# KiCad board panel.kicad_pcb (continued)
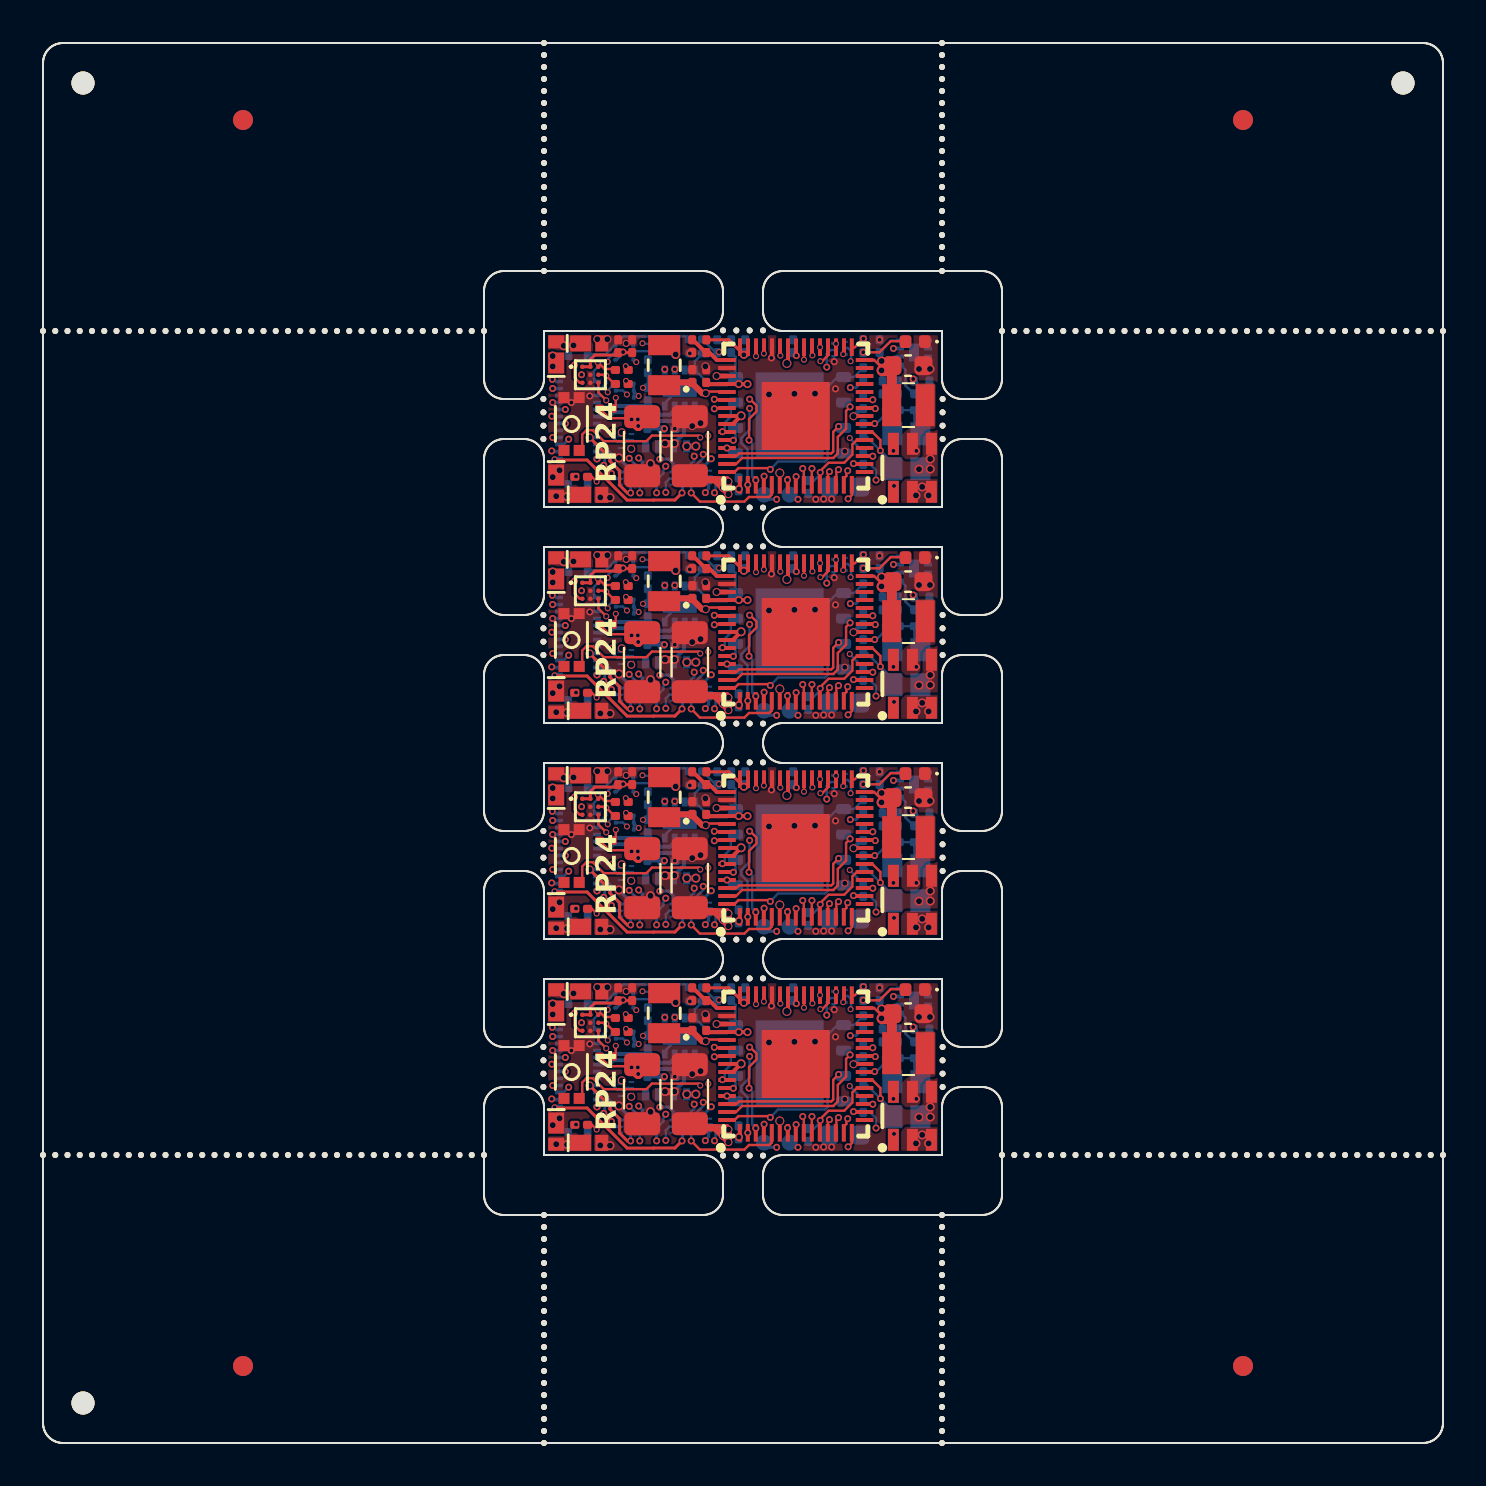
[diagram p0: board, top side]
## Routing (per net, layer and track width the routed paths; a pad name or vN(x,y) marks a point on that pad's centre or on a via; arc(x,y) is an arc through that point) (continued)
  In3.Cu w0.12: v3(40.36,52.77) 40.36,52.63 39.78,52.05 39.78,52.04 38.47,50.74 34.63,50.74 33.94,50.04 33.09,50.04 v6(32.86,50.27)
  Bottom w0.12: R5#3.2 40.66,52.77 v3(40.36,52.77)
Board_0-Net-(U2-BST): length 3.8
  Top w0.12: v3(42.52,49.6) U2#2.6
  In1.Cu w0.12: v6(40.34,50.25) 41.88,50.25 v3(42.52,49.6)
  Bottom w0.12: 40.96,49.57 C4#3.1 40.34,50.24 v6(40.34,50.25)
Board_0-Net-(U4-GPIO19): length 0.8
  Top w0.12: v3(41.02,55.22) 40.59,54.79 U4.31
Board_0-Net-(U4-VREG_AVDD): length 2.2
  Top w0.2: U4.46 33.69,54.15 33.32,54.52 R15#3.1 33.14,54.52 32.5,55.16 C16#4.1 32.52,55.16
Board_0-Net-(U4-VREG_LX): length 3.1
  Top w0.25: v1(33.68,53.35) U4.48
  In1.Cu w0.35: v1(33.68,53.35) 32.64,53.35 31.63,54.36 v5(31.63,54.43)
Board_0-VDC: length 13.4
  In3.Cu w0.12: v5(32.64,49.84) 32.67,49.81 33.65,49.81 34.06,49.41 34.34,49.41 34.95,50.01 34.95,50.28 35.18,50.51 38.57,50.51 40.01,51.95 40.01,51.95 40.48,52.42 40.61,52.42 41.39,53.2 v3(43.51,53.2)
  Bottom w0.12: v3(43.51,53.2) 43.56,53.15 R1#3.1
  Bottom w0.3: v5(32.64,49.84) 32.63,49.83 32.18,49.83 32.19,49.84 v5(32.19,49.84)
  vias: v5(25.49,54.35) v5(25.49,53.83) v5(25.49,48.29) v5(25.83,48.64)
Board_1-+1V1: length 20.9
  Top w0.12: v1(33.14,41.69) 33.22,41.77 34.18,41.77 U4#4.50
  Top w0.2: v2(37.19,43.18) 37.25,43.24 U4#4.39 ; L2.2 31.2,42.23 ; v1(40.52,40.54) 40.57,40.54 40.58,40.55 U4#4.23
  Top w0.3: 31.2,42.23 C11#4.1 32.46,42.19 32.96,41.69 v1(33.14,41.69)
  In1.Cu w0.3: v1(40.52,40.54) 39.62,40.54 36.84,37.76 v2(36.84,37.7) ; v1(33.14,41.69) 33.31,41.86 33.67,41.86 34.76,42.95 36.96,42.95 37.19,43.18
  In2.Cu w0.2: v2(37.19,43.18) 37.19,43.18
  In2.Cu w0.3: v2(37.19,43.18) 37.25,43.18 37.97,42.47 40.48,42.47 40.8,42.15 40.8,40.81 v1(40.52,40.54)
  Bottom w0.2: C10.1 40.91,40.92 v1(40.52,40.54)
Board_1-+3.3V: length 30.9
  Top w0.12: R19#2.1 28.31,40.44 29.88,40.44 C8#3.1 ; v5(41.93,42.83) 41.93,42.98 41.56,43.35 U4#4.30 ; U4#4.11 38.84,37.71 v3(38.86,37.73) 38.86,37.8 39.28,38.21 40.06,38.21 40.47,38.62 40.47,39.13 40.69,39.35 U4#4.20 ; v4(35.04,43.61) 35.15,43.72 35.2,43.72 35.25,43.77 U4#4.44 ; v4(34.8,36.9) 34.8,37.07 U4#4.1
  Top w0.15: U4#4.45 34.85,43.8 34.93,43.72 35.2,43.72 ; U5#4.A1 U5#4.A2 27.37,43.38 27.59,43.59 28.63,43.59 C27#3.1 C28.1 ; v4(35.04,43.61) 34.29,44.36 R15#2.2
  Top w0.2: U4#4.53 34.89,40.55 v5(34.91,40.56) 34.49,40.15 U4#4.54 ; C12#3.2 33.25,42.14 34.19,42.14 U4#4.49 34.79,42.15 v4(34.79,42.15) v4(35.23,42.15)
  Top w0.3: 41.93,42.83 v5(41.93,42.83) 41.93,43.3 v5(41.93,43.3) 41.93,42.83
  Top w0.5: 42.44,42.8 42.44,41.09 ; 42.44,42.8 41.96,42.8 v5(41.93,42.83) ; 42.44,42.8 42.47,42.83 C7#4.1 ; v6(29.76,40.05) v6(29.43,40.38)
  Bottom w0.12: R3#2.1 41.93,42.35 v5(41.93,42.83) ; U6#2.8 32.59,43.29 C29.1 ; U6#2.8 33.26,42.18 34.22,42.18 34.58,42.54 34.69,42.43 ; U6#2.8 U6#2.7 ; v5(41.93,43.3) 41.83,43.4 C1#3.2 41.83,43.74 42.41,44.33 U1#3.8 ; v3(38.86,37.73) 38.86,37.63 38.55,37.32 C9#3.1 ; C5#4.1 34.63,43.5 U3#3.8 ; Q8.4 28.68,43.36 28.89,43.57 28.89,43.63 v3(29,43.75) ; v4(34.8,36.9) 34.77,36.9
  Bottom w0.15: J1#4.18 25.81,40.19 26.1,40.19 v3(26.12,40.17)
  vias: v3(37.66,43.57) v3(42.55,37.05) v6(29.74,40.38)
Board_1-/ADC_EMF_A: length 8
  Top w0.12: U4#4.42 36.05,43.68 v6(36.05,43.67)
  In3.Cu w0.12: v3(31.07,39.91) 31.07,40.46 32.79,42.18 33.83,42.18 34.66,43.01 35.57,43.01 36.05,43.48 v6(36.05,43.67)
  Bottom w0.12: 31.07,39.92 v3(31.07,39.91) ; R12.2 30.25,39.89 R11#3.1
Board_1-/ADC_EMF_B: length 7.8
  Top w0.12: v6(35.65,43.54) U4#4.43
  In3.Cu w0.12: v6(35.65,43.54) 35.35,43.24 33.85,43.24 33.27,42.66 32.95,42.66 32.24,41.96 v6(30,41.96)
  Bottom w0.12: R14.2 R13#2.1 v6(30,41.96)
Board_1-/AUX1 (VDC): length 3.9
  In1.Cu w0.15: v3(28.04,38.09) 28.08,38.04 29.43,38.04 29.78,38.4 v3(29.78,38.45)
  Bottom w0.15: v3(28.04,38.09) 28.09,38.13 28.09,38.6 27.91,38.77 J1#4.11 ; v3(29.78,38.45) 29.97,38.27 29.97,37.84 30.06,37.75 Q3.6
Board_1-/AUX2 (VDC): length 4.6
  In1.Cu w0.15: v3(27.7,38.4) 27.61,38.31 27.61,37.89 28.24,37.26 30.13,37.26 v3(30.68,36.71)
  Bottom w0.15: Q3.3 30.68,36.71 v3(30.68,36.71) ; v3(27.7,38.4) 27.7,38.42
Board_1-/AUX3: length 19.5
  Top w0.12: U4#4.18 41.09,38.54 v3(41.49,38.54)
  In4.Cu w0.12: 38.87,39.75 38.46,40.16 34.75,40.16 34.51,40.4 34.51,40.99 33.44,42.06 30.9,42.06 30.03,41.19 29.04,41.19 28.84,40.99 27.14,40.99 26.56,41.57 25.82,41.57 v3(25.48,41.23) ; 38.87,39.75 38.94,39.68 ; 38.87,39.75 39.49,39.13 39.88,39.13 40.23,39.13 40.83,38.54 v3(41.49,38.54)
  Bottom w0.12: J1#4.21 v3(25.48,41.23)
Board_1-/AUX4: length 16.6
  Top w0.12: v3(40.53,38.17) 40.55,38.15 U4#4.17
  In4.Cu w0.12: v3(26.12,40.88) 26.23,40.76 28.94,40.76 29.1,40.93 31.39,40.93 31.75,40.57 33.03,40.57 33.25,40.34 33.25,40.34 34.21,40.34 34.62,39.93 38.37,39.93 39.85,38.44 40.25,38.44 v3(40.53,38.17)
  Bottom w0.12: v3(26.12,40.88) J1#4.20
Board_1-/AUX5 (VDC): length 10
  In4.Cu w0.15: v3(33.41,38.41) 33.18,38.18 31.83,38.18 31.25,38.76 30.93,38.76 30.08,39.61 29.73,39.61 29.22,40.12 27.43,40.12 27.06,39.75 25.76,39.75 v3(25.48,39.48)
  Bottom w0.15: Q6#3.6 32.8,37.8 v3(33.41,38.41)
Board_1-/AUX6 (VDC): length 6.9
  In4.Cu w0.15: v3(30.84,38.39) 29.94,39.29 29.25,39.29 29.05,39.09 26.59,39.09 v3(26.29,39.39)
  Bottom w0.15: J1#4.15 26.02,39.12 v3(26.29,39.39) ; v3(30.84,38.39) 30.98,38.39 30.99,38.4 31.29,38.4 31.5,38.19 Q5#3.6
Board_1-/AUX7 (VDC): length 9.5
  In4.Cu w0.15: v3(33.12,36.72) 32.64,37.2 28.31,37.2 27.15,38.35 26.36,38.35 25.91,38.8 v3(25.44,38.8)
  Bottom w0.15: v3(33.12,36.72) 33.12,36.76 33.28,36.93 Q6#3.3 ; J1#4.14 25.46,38.77 v3(25.44,38.8)
Board_1-/AUX8 (VDC): length 8.3
  Top w0.15: v3(31.95,36.7) 31.6,36.35 30.53,36.35 30.53,36.34 29.21,36.34 27.2,38.35 25.61,38.35 v6(25.58,38.39)
  In1.Cu w0.15: v6(25.58,38.39) 25.8,38.39 25.8,38.39
  Bottom w0.15: Q5#3.3 31.98,36.73 v3(31.95,36.7) ; v6(25.58,38.39) 25.76,38.39 25.8,38.42
Board_1-/AUX10: length 17.6
  Top w0.12: v3(40.23,37.81) 40.17,37.75 40.17,37.55 40.04,37.42 U4#4.14
  In4.Cu w0.12: v3(40.23,37.81) 40.23,37.9 39.92,38.21 39.76,38.21 38.27,39.7 34.52,39.7 34.11,40.11 33.32,40.11 33,39.79 32.73,39.79 32.61,39.68 32.31,39.68 32.09,39.89 32.09,39.9 31.29,40.7 29.2,40.7 29.03,40.53 25.45,40.53 v3(25.44,40.54)
  Bottom w0.12: J1#4.19 25.46,40.52 v3(25.44,40.54)
Board_1-/AUX11: length 16
  In4.Cu w0.12: v3(35.33,40.93) 35.3,40.93 34.25,41.98 34.25,42.62 33.95,42.92 33.53,42.92 32.92,42.31 29.67,42.31 29.31,41.95 28.94,41.95 28.81,42.08 28.12,42.08 27.97,41.92 v3(25.48,41.92)
  Bottom w0.12: v3(35.24,37.11) 35.23,37.12 35.23,38.88 34.91,39.2 34.91,39.44 35.33,39.86 v3(35.33,40.93) ; v3(25.48,41.92) 25.8,41.92
Board_1-/AUX12: length 17.2
  Top w0.12: v3(35.33,41.39) 35.36,41.39 35.68,41.07 35.68,40.78 35.3,40.4 v3(35.3,39.34)
  In1.Cu w0.12: v3(35.64,37.34) 35.64,37.39
  In4.Cu w0.12: v3(35.33,41.39) 35.61,41.67 35.61,42.49 35.09,43.01 34.79,43.01 34.6,43.2 33.57,43.2 33.32,43.45 32.92,43.45 32.01,42.54 30.59,42.54 30.47,42.67 28.57,42.67 28.31,42.92 28.01,42.92 27.36,42.27 25.58,42.27 v3(25.47,42.38)
  Bottom w0.12: v3(35.64,37.34) 35.46,37.52 35.46,39.18 v3(35.3,39.34)
Board_1-/CAP_ENABLE: length 16.6
  Top w0.12: U4#4.32 40.05,43.68 v6(40.01,43.64)
  In1.Cu w0.12: v6(33.26,39.56) 33.26,39.69 33.12,39.83 32.76,39.83 32.51,39.57 30.93,39.57 30.72,39.37 28.78,39.37 28.48,39.67 v6(28.48,39.77)
  In3.Cu w0.12: v6(40.01,43.64) 40.01,41.8 39.55,41.34 39.55,41.34 38.38,40.17 33.87,40.17 v6(33.26,39.56) 33.26,39.55 ; 28.48,39.76 28.48,39.76 v6(28.48,39.77)
  Bottom w0.12: v6(28.48,39.77) 28.55,39.7 28.55,39.43 28.73,39.25 Q2#2.5 29.1,39.25 29.2,39.35 Q2#2.2
Board_1-/CAP_VDC: length 11.8
  Top w0.35: v1(34.27,37.27) 34.27,36.64 v1(34.27,36.64) 34.27,36.69 v1(33.99,36.96) ; v1(34.27,37.27) 34.18,37.37 32.55,37.37 ; v1(34.27,37.27) 33.99,37 v1(33.99,36.96) ; v5(31.56,39.17) 31.56,39.17 31.1,39.17 v5(31.1,39.17) ; v1(33.99,36.96) 33.59,37.37 32.55,37.37 ; 32.55,37.37 32.35,37.56 C21#2.1 ; C21#2.1 32.33,37.58 31.96,37.58 ; C21#2.1 32.34,37.49 ; C21#2.1 32.34,37.55 ; 31.65,37.23 31.65,37.23
  In3.Cu w0.4: v5(31.56,39.17) 31.56,39.18 29.58,39.18 29.54,39.14 ; v1(28.94,39.74) 29.53,39.14 29.54,39.14 ; 29.54,39.14 29.41,39.01 v1(29.41,38.91)
  Bottom w0.12: 28.91,39.67 28.91,39.71 v1(28.94,39.74)
  Bottom w0.2: D5#4.1 31.53,39.15 31.91,39.54 31.91,39.54 32.05,39.68 32.05,40.29 32.59,40.83 U6#2.1
  vias: v5(43.65,36.58) v5(43.96,37) v5(44.28,36.58)
Board_1-/COMP_N: length 2.6
  Bottom w0.12: U1#3.6 42.59,43.52 42.46,43.4 42.46,42.58 R4#4.1 ; 41.98,41.66 42.06,41.66 42.62,42.21 42.62,42.3
Board_1-/COMP_P: length 2.7
  Bottom w0.12: R1#4.2 R2#2.1 ; R1#4.2 43.53,41.66 43.12,42.06 43.12,42.85 42.85,43.12 U1#3.5 ; R1#4.2 43.42,41.66
Board_1-/GPIO2: length 4.6
  Top w0.12: U4#4.4 36.04,37.53 v3(36.05,37.54)
  In4.Cu w0.12: v3(33.57,36.71) 33.57,37.1 34.16,37.69 35.91,37.69 v3(36.05,37.54)
  Bottom w0.12: Q6#3.2 33.45,37.52 33.62,37.34 33.62,36.76 v3(33.57,36.71)
Board_1-/GPIO3: length 5.8
  Top w0.12: v3(32.41,36.7) 32.85,36.27 35.07,36.27 35.3,36.5 36.31,36.5 36.44,36.63 U4#4.5
  Bottom w0.12: Q6#3.5 32.54,37.42 32.41,37.29 v3(32.41,36.7)
Board_1-/GPIO4: length 8.3
  In3.Cu w0.12: v3(31.14,36.73) 31.48,37.07 33.52,37.07 34.16,37.71 35.7,37.71 36.22,38.23 36.87,38.23 37.3,37.8 37.3,37.43 v3(37.23,37.35)
  Bottom w0.12: v3(31.14,36.73) 31.14,37.23 31.33,37.42 Q5#3.5
Board_1-/GPIO5: length 10.1
  Top w0.12: v3(37.65,37.52) 37.64,37.51 U4#4.8
  In4.Cu w0.12: v3(29.84,36.7) 30.27,36.27 36.08,36.27 36.82,37.01 37.42,37.01 37.6,37.19 37.6,37.47 v3(37.65,37.52)
  Bottom w0.12: Q3.5 29.94,37.42 29.84,37.32 v3(29.84,36.7)
Board_1-/GPIO6: length 11.5
  Top w0.12: v3(37.99,37.92) 38.04,37.87 U4#4.9
  In4.Cu w0.12: v3(28.42,37.68) 28.66,37.44 33.58,37.44 34.06,37.91 35.91,37.91 36.22,38.23 37.69,38.23 v3(37.99,37.92)
  Bottom w0.12: v3(28.42,37.68) 28.68,37.42 Q4#2.5
Board_1-/GPIO7: length 12.4
  Top w0.12: 38.43,36.98 38.44,36.99 U4#4.10 38.44,37.92 v3(38.45,37.92)
  In4.Cu w0.12: 38.43,37.95 38.43,38.13 38.1,38.46 36.13,38.46 35.81,38.15 33.96,38.15 33.49,37.67 30.07,37.67 v3(29.31,38.44)
  Bottom w0.12: Q4#2.2 29.64,37.52 29.72,37.6 29.72,38.02 v3(29.31,38.44)
Board_1-/GPIO8: length 10.4
  Top w0.12: U4#4.12 39.24,37.69 v3(39.32,37.77)
  In4.Cu w0.12: v3(39.32,37.77) 38.41,38.69 36.03,38.69 35.72,38.38 33.87,38.38 33.43,37.93 31.24,37.93 v3(31.14,38.04)
  Bottom w0.12: Q3.2 30.85,37.52 31.03,37.69 31.03,37.93 v3(31.14,38.04)
Board_1-/GPIO9: length 9.9
  Top w0.12: U4#4.13 39.67,37.14 39.67,37.76 v3(39.78,37.87)
  In4.Cu w0.12: v3(33.01,38.63) 33.13,38.76 33.56,38.76 33.71,38.6 35.62,38.6 35.93,38.92 38.73,38.92 v3(39.78,37.87)
  Bottom w0.12: Q5#3.2 32.14,37.52 32.36,37.74 32.36,37.8 33.01,38.45 v3(33.01,38.63)
Board_1-/GPIO21: length 0.1
  Bottom w0.12: 39.58,44.17 39.64,44.17 v6(39.65,44.16)
Board_1-/GPIO25: length 8.1
  Top w0.12: v6(38.05,43.37) U4#4.37
  In4.Cu w0.12: 37.98,43.39 38,43.37 v6(38.05,43.37) 37.47,42.78 35.95,42.78 35.5,43.24 34.89,43.24 34.7,43.43 33.67,43.43 33.42,43.68 32.83,43.68 32.03,42.89 v3(31.59,42.89)
  Bottom w0.12: v3(31.59,42.89) U6#2.6
Board_1-/GPIO26: length 7.5
  Top w0.12: U4#4.40 36.85,43.58 v6(36.86,43.57)
  In4.Cu w0.12: v3(31.09,42.89) 31.09,43.64 31.52,44.07 36.29,44.07 36.86,43.5 v6(36.86,43.57)
  Bottom w0.12: v3(31.09,42.89) U6#2.5
Board_1-/I2S_BCLK: length 16
  Top w0.12: U5#4.C1 26.84,42.21 26.58,42.47 26.58,43.09 v3(26.58,43.1) ; v6(38.47,43.58) 38.45,43.6 U4#4.36
  In4.Cu w0.12: v3(26.58,43.1) 27.37,43.89 28.38,43.89 29.02,44.53 38.8,44.53 39.19,44.14 39.19,43.85 38.99,43.64 38.53,43.64 v6(38.47,43.58)
Board_1-/I2S_DIN: length 13.1
  Top w0.12: U5#4.B1 26.97,42.61 v3(26.93,42.61)
  In4.Cu w0.12: v6(38.85,43.99) 38.54,44.3 30.54,44.3 29.85,43.6 29.49,43.6 29.29,43.4 28.57,43.4 28.39,43.58 27.59,43.58 26.93,42.91 v3(26.93,42.61)
Board_1-/I2S_LRCLK: length 17.8
  Top w0.12: U4#4.34 39.25,43.58 38.96,43.29 v6(38.87,43.29) ; v6(28.16,41.33) 27.77,41.73 U5#4.C3
  In3.Cu w0.12: v6(38.87,43.29) 39.21,43.63 39.21,44.12 38.8,44.53 28.88,44.53 28.37,44.02 28.03,44.02 27.38,43.37 27.38,42.11 v6(28.16,41.33)
Board_1-/LAMP_FRONT: length 4.6
  Top w0.15: v3(29.38,36.7) 29.22,36.7 28.83,37.09 28.83,37.81 28.34,38.3 28.34,38.47 v1(27.33,39.48)
  Bottom w0.15: v3(29.38,36.7) Q4#2.3 ; J1#4.9 v1(27.33,39.48)
Board_1-/LAMP_REAR: length 2
  Bottom w0.15: J1#4.10 27.93,39.12 28.37,38.69 28.37,38.26 28.88,37.75 Q4#2.6
Board_1-/MOTOR_A: length 5.1
  Bottom w0.2: U6#2.2 32.09,40.86 31.53,40.3 30.73,40.3 30.3,40.73 29.92,40.73 29.91,40.74 28.51,40.74 28.3,40.52 J1#4.6
Board_1-/MOTOR_B: length 4.8
  Bottom w0.12: 30.43,41.04 30.24,41.23 R13#2.2
  Bottom w0.2: J1#4.5 27.8,40.97 28.31,40.97 28.39,41.05 30.04,41.05 30.05,41.04 30.43,41.04 30.86,40.61 31.34,40.61 31.59,40.86 U6#2.3
Board_1-/QSPI_CS: length 11.1
  Top w0.12: v3(36.36,37.88) 36.3,37.94 34.77,37.94 34.58,37.75 U4#4.60
  Bottom w0.12: v3(36.36,37.88) 36.75,38.27 39.1,38.27 39.23,38.4 39.23,42 39.72,42.49 U3#3.1 40.54,42.49 R5.1
Board_1-/QSPI_SCLK: length 0.7
  Bottom w0.12: U3#3.6 34.63,39.45 v3(34.52,39.34)
Board_1-/QSPI_SD0: length 0.5
  Bottom w0.12: v3(34.2,38.95) 34.47,38.69 U3#3.5
Board_1-/QSPI_SD1: length 9.1
  Top w0.12: v3(40.35,41.01) 40.15,40.81 40.15,39.91 39.74,39.5 39.74,38.67 39.52,38.45 34.95,38.45 34.65,38.15 U4#4.59 33.88,38.15
  Bottom w0.12: v3(40.35,41.01) 40.14,41.23 U3#3.2
Board_1-/QSPI_SD2: length 6.8
  Top w0.12: U4#4.58 34.67,38.55 34.8,38.68 39.42,38.68 39.51,38.77 39.51,39.76 v3(39.78,40.03) ; 34.44,38.57 34.46,38.55
Board_1-/QSPI_SD3: length 1.7
  Bottom w0.12: U3#3.7 34.39,40.98 34.39,40.51 34.09,40.21 34.09,39.88 v3(33.97,39.76)
Board_1-/RC_TX: length 14.7
  Top w0.12: R18#4.2 27.44,37.51 v6(27.68,37.27) ; v3(40.26,36.41) 40.44,36.59 U4#4.15
  In1.Cu w0.12: v6(27.68,37.27) 27.94,37.02 28.36,37.02 29.11,36.27 36.08,36.27 36.55,36.74 39.92,36.74 v3(40.26,36.41)
Board_1-/SPEAKER_N: length 2
  Top w0.12: U5#4.B3 28.11,42.61 v6(28.16,42.56) 28.58,42.15 R16#3.1
  Bottom w0.12: v6(28.16,42.56) 28.16,42.17 27.91,41.92 27.7,41.92
Board_1-/SPEAKER_P: length 2.3
  Top w0.12: U5#4.A3 27.77,43.2 v6(27.74,43.22) 27.77,43.22 28.09,42.9 28.57,42.9 R10#2.1
  Bottom w0.12: J1#4.1 27.55,42.42 27.55,42.81 27.74,43 v6(27.74,43.22)
Board_1-/SWCLK: length 10
  Top w0.15: U4#4.24 41.58,40.95 v3(41.62,40.92)
  In4.Cu w0.15: v3(41.62,40.92) 41.72,40.92 43.14,39.5 43.14,38.33 42.66,37.85 41.41,37.85 40.66,37.1 38.62,37.1 37.91,36.39 v3(37.75,36.39)
Board_1-/SWDIO: length 12.1
  Top w0.15: U4#4.25 41.48,41.35 v3(41.49,41.36)
  In4.Cu w0.15: v3(36.68,36.38) 36.68,36.43 37.01,36.77 37.52,36.77 38.12,37.36 40.55,37.36 41.3,38.11 42.56,38.11 42.88,38.43 42.88,39.39 41.74,40.53 41.48,40.53 41.26,40.75 41.26,41.13 v3(41.49,41.36)
  Bottom w0.15: J2#4.1 36.29,36.38 v3(36.68,36.38)
Board_1-/SWITCH: length 3.9
  In1.Cu w0.12: v3(41.65,37.35) 43.11,38.8 v3(43.67,38.8)
  Bottom w0.12: C4#4.2 41.36,38.13 41.65,37.83 v3(41.65,37.35)
Board_1-/TRACK_LEFT: length 5.6
  Bottom w0.12: R7.2 32.19,44.53 29.02,44.53 28.62,44.13 Q8.6 28.55,44.06 28.13,43.64 27.33,43.64 J1#4.X1A
  vias: v5(26.04,44.06) v5(26.52,44.08)
Board_1-/TRACK_RIGHT: length 8.6
  In2.Cu w0.12: v6(28.24,41.74) 28.08,41.9 27.17,41.9 26.93,41.66 26.27,41.66 26.07,41.46 26.07,41.32 25.77,41.02 25.77,40.7 25.79,40.68 25.79,40.34 25.73,40.28 25.73,39.71 25.83,39.62 25.83,38.86 26.22,38.46 26.22,37.67 25.66,37.11 v5(25.66,36.54)
  Bottom w0.12: v6(28.24,41.74) 28.24,41.83 28.58,42.17 Q7#3.6
  Bottom w0.25: 26.27,37.14 J1#4.X2B
  vias: v5(26.2,36.52)
Board_1-/USB_N: length 5.7
  Top w0.12: v3(33.57,40.91) 33.61,40.95 U4#4.52
  In1.Cu w0.12: v6(29.15,42.31) 29.22,42.38 30.58,42.38 31.93,41.03 33.45,41.03 v3(33.57,40.91)
Board_1-/USB_P: length 5.9
  Top w0.12: v3(33.57,41.39) 33.6,41.35 U4#4.51
  In1.Cu w0.12: v6(29.14,43.04) 29.56,42.62 30.68,42.62 32.03,41.27 33.45,41.27 v3(33.57,41.39)
Board_1-/XIN: length 3.7
  Top w0.12: U4#4.21 41.47,39.75 41.87,39.35 v3(41.87,38.82)
  Bottom w0.12: C6.1 41.16,39.53 v3(41.87,38.82) 42.28,38.41 42.28,37.97
Board_1-/XOUT: length 1.5
  Top w0.12: v3(41.58,40.17) 41.56,40.15 U4#4.22
  Bottom w0.12: v3(41.58,40.17) 41.66,40.17 42.17,40.68 R6.2
Board_1-GND: length 7.8
  Top w0.12: 36.46,44.02 36.45,44.01 U4#4.41 36.45,43.48 v3(36.42,43.45)
  Bottom w0.12: 32.43,41.71 32.2,41.95 U6#2.9 ; v3(26.42,41.22) 26.07,41.58 J1#4.22 ; U6#2.9 31.17,41.28 31.16,41.28 ; U6#2.9 31.84,42.02 32.16,42.34 32.55,42.34 32.57,42.32 ; v3(32.56,38.54) 32.56,38.33 32.05,37.82 Q5#3.1 ; 44.26,43.14 U1#3.4 44.24,43.12 ; v7(40.09,38.79) 40.09,38.75 U3#3.4 39.91,38.57 ; 30.35,43.32 30.32,43.36 R14.1 ; v3(31.59,39.91) R12.1 ; v7(29.16,44.18) 29.4,44.18 Q8.1 ; Q1#3.4 39.55,43.28 v3(39.56,43.26)
  Bottom w0.15: v3(27.34,41.55) 27.36,41.58 J1#4.3 ; v5(28.8,38.45) 28.8,38.43 Q4#2.1 ; v5(30.38,38.16) 30.38,38.12 30.68,37.82 Q3.1
  vias: v1(27.72,44.39) v1(28.22,44.39) v1(32.46,40.05) v1(32.88,40.2) v1(33.12,43.03) v3(32.34,43.68) v3(38.64,36.38) v3(39.03,36.4) v3(39.43,36.4) v3(39.62,41.91) v3(41.83,44.36) v5(27.87,36.48) v5(28.35,36.47) v5(36.3,41.63) v5(37.57,41.66) v5(38.6,41.67) v5(43.8,42.9) v5(43.8,37.89) v5(44.35,42.9) v5(44.36,38.4) v5(44.36,37.9)
Board_1-Net-(C3-Pad1): length 2.1
  Bottom w0.12: Y1.1 43.57,39.97 C3#4.1 R6.1
Board_1-Net-(D7-A): length 2.4
  Top w0.12: D7#2.2 43.1,44.29 42.38,44.29 41.83,43.74 v3(41.01,43.74)
Board_1-Net-(Q1A-G1): length 9.8
  In2.Cu w0.12: v6(33.8,43.75) 34.58,44.53 39.78,44.53 40.38,43.93 v6(40.38,43.29)
  Bottom w0.12: v6(33.8,43.75) 33.77,43.72 R8#2.2 33.64,43.72 R7.1 ; Q1#3.2 40.24,43.95 40.4,43.79 40.4,43.31 v6(40.38,43.29)
Board_1-Net-(Q1B-G2): length 5.2
  In4.Cu w0.12: v3(42.52,43.93) 41.99,43.93 40.98,42.92 39.92,42.92 39.92,42.92 39.27,42.92 v3(39.19,42.99)
  Bottom w0.12: v3(39.19,42.99) 39.19,43.66 39.38,43.85 Q1#3.5 ; v3(42.52,43.93) 42.6,43.93 42.6,43.92 42.85,43.92
Board_1-Net-(Q7A-B1): length 5
  In2.Cu w0.12: v6(29.78,41.55) 29.53,41.8 29.53,42.66 29.98,43.11 29.98,44.18 v6(29.97,44.19)
  Bottom w0.12: v6(29.78,41.55) 29.54,41.79 Q7#3.1 ; R17#2.1 30,44.16 v6(29.97,44.19) ; Q7#3.2 Q7#3.3
Board_1-Net-(Q7B-B2): length 10
  Top w0.12: v6(26.65,37.52) 26.64,37.51 R18#4.1
  In1.Cu w0.12: v6(26.65,37.52) 26.65,38.04 25.83,38.86 25.83,39.62 25.76,39.68 25.76,40.31 25.97,40.52 28.29,40.52 29.2,41.43 v6(29.2,41.63)
  In3.Cu w0.12: v6(29.2,41.63) 29.51,41.94 29.51,43.09 v6(29.66,43.24)
  Bottom w0.12: v6(29.2,41.63) 29,41.82 Q7#3.5 ; Q8.3 29.64,43.24 v6(29.66,43.24)
Board_1-Net-(Q7B-E2): length 3.2
  Top w0.12: R19#2.2 28.64,41.09 v6(28.64,41.46)
  In3.Cu w0.12: v6(28.64,41.46) 28.64,42.86 v6(28.24,43.26)
  Bottom w0.12: v6(28.24,43.26) 28.24,43.39 28.56,43.71 Q8.5 ; v6(28.64,41.46) Q7#3.4
Board_1-Net-(Q8A-B1): length 2.2
  Bottom w0.12: Q8.2 29.6,43.79 31.21,43.79 R17#2.2
Board_1-Net-(R5-Pad2): length 16.8
  Top w0.12: SW1#2.2 26.96,38.98 26.96,39.63 27.18,39.84 27.49,39.84 28.04,39.29 30.17,39.29 30.45,39.57 32.77,39.57 v6(32.86,39.47)
  In3.Cu w0.12: v6(32.86,39.47) 33.09,39.24 33.94,39.24 34.63,39.94 38.47,39.94 39.78,41.24 39.78,41.25 40.36,41.83 v3(40.36,41.97)
  Bottom w0.12: R5.2 40.66,41.97 v3(40.36,41.97)
Board_1-Net-(U2-BST): length 3.8
  Top w0.12: v3(42.52,38.8) U2#4.6
  In1.Cu w0.12: v6(40.34,39.45) 41.88,39.45 v3(42.52,38.8)
  Bottom w0.12: v6(40.34,39.45) 40.34,39.44 C4#4.1 40.96,38.77
Board_1-Net-(U4-GPIO19): length 0.8
  Top w0.12: U4#4.31 40.59,43.99 v3(41.02,44.41)
Board_1-Net-(U4-VREG_AVDD): length 2.2
  Top w0.2: 32.52,44.36 C16.1 32.5,44.36 33.14,43.72 R15#2.1 33.32,43.72 33.69,43.35 U4#4.46
Board_1-Net-(U4-VREG_LX): length 3.1
  Top w0.25: v1(33.68,42.55) U4#4.48
  In1.Cu w0.35: v1(33.68,42.55) 32.64,42.55 31.63,43.56 v5(31.63,43.63)
Board_1-VDC: length 13.4
  In3.Cu w0.12: v3(43.51,42.4) 41.39,42.4 40.61,41.62 40.48,41.62 40.01,41.15 40.01,41.15 38.57,39.71 35.18,39.71 34.95,39.48 34.95,39.21 34.34,38.6 34.06,38.6 33.65,39.01 32.67,39.01 v5(32.64,39.04)
  Bottom w0.12: R1#4.1 43.56,42.35 v3(43.51,42.4)
  Bottom w0.3: v5(32.64,39.04) 32.63,39.03 32.18,39.03 32.19,39.04 v5(32.19,39.04)
  vias: v5(25.49,43.55) v5(25.49,43.03) v5(25.49,37.49) v5(25.83,37.84)
Board_2-+1V1: length 20.9
  Top w0.12: v1(33.14,30.89) 33.22,30.97 34.18,30.97 U4#2.50
  Top w0.2: U4#2.39 37.25,32.44 v2(37.19,32.38) ; v1(40.52,29.74) 40.57,29.74 40.58,29.75 U4#2.23 ; L2#3.2 31.2,31.43
  Top w0.3: 31.2,31.43 C11#2.1 32.46,31.39 32.96,30.89 v1(33.14,30.89)
  In1.Cu w0.3: v2(36.84,26.9) 36.84,26.96 39.62,29.74 v1(40.52,29.74) ; v1(33.14,30.89) 33.31,31.06 33.67,31.06 34.76,32.15 36.96,32.15 37.19,32.38
  In2.Cu w0.2: v2(37.19,32.38) 37.19,32.38
  In2.Cu w0.3: v2(37.19,32.38) 37.25,32.38 37.97,31.66 40.48,31.66 40.8,31.35 40.8,30.01 v1(40.52,29.74)
  Bottom w0.2: C10#4.1 40.91,30.12 v1(40.52,29.74)
Board_2-+3.3V: length 30.9
  Top w0.12: v5(41.93,32.03) 41.93,32.18 41.56,32.55 U4#2.30 ; U4#2.44 35.25,32.97 35.2,32.92 35.15,32.92 v4(35.04,32.81) ; C8.1 29.88,29.64 28.31,29.64 R19#4.1 ; U4#2.11 38.84,26.91 v3(38.86,26.93) 38.86,27 39.28,27.41 40.06,27.41 40.47,27.82 40.47,28.33 40.69,28.55 U4#2.20 ; v4(34.8,26.1) 34.8,26.27 U4#2.1
  Top w0.15: v4(35.04,32.81) 34.29,33.56 R15#4.2 ; U5#3.A1 U5#3.A2 27.37,32.58 27.59,32.8 28.63,32.8 C27.1 C28#2.1 ; 35.2,32.92 34.93,32.92 34.85,33 U4#2.45
  Top w0.2: U4#2.54 34.49,29.35 v5(34.91,29.76) 34.89,29.75 U4#2.53 ; v4(35.23,31.35) v4(34.79,31.35) 34.79,31.35 U4#2.49 34.19,31.34 33.25,31.34 C12#4.2
  Top w0.3: v5(41.93,32.5) 41.93,32.5 v5(41.93,32.03) 41.93,32.03 v5(41.93,32.5)
  Top w0.5: 42.44,31.99 42.47,32.03 C7#2.1 ; 42.44,31.99 42.44,30.29 ; 42.44,31.99 41.96,31.99 v5(41.93,32.03) ; v6(29.76,29.25) v6(29.43,29.58)
  Bottom w0.12: Q8#4.4 28.68,32.56 28.89,32.77 28.89,32.83 v3(29,32.95) ; C9.1 38.55,26.52 38.86,26.83 v3(38.86,26.93) ; U1#2.8 42.41,33.52 41.83,32.94 C1.2 41.83,32.6 v5(41.93,32.5) ; R3#4.1 41.93,31.55 v5(41.93,32.03) ; U3#2.8 34.63,32.7 C5#3.1 ; C29#2.1 32.59,32.49 U6.8 ; U6.8 U6.7 ; U6.8 33.26,31.38 34.22,31.38 34.58,31.74 34.69,31.63 ; v4(34.8,26.1) 34.77,26.1
  Bottom w0.15: J1#3.18 25.81,29.39 26.1,29.39 v3(26.12,29.37)
  vias: v3(37.66,32.77) v3(42.55,26.25) v6(29.74,29.58)
Board_2-/ADC_EMF_A: length 8
  Top w0.12: v6(36.05,32.87) 36.05,32.88 U4#2.42
  In3.Cu w0.12: v3(31.07,29.12) 31.07,29.66 32.79,31.38 33.83,31.38 34.66,32.21 35.57,32.21 36.05,32.68 v6(36.05,32.87)
  Bottom w0.12: 31.07,29.12 v3(31.07,29.12) ; R11#4.1 30.25,29.09 R12#2.2
Board_2-/ADC_EMF_B: length 7.8
  Top w0.12: v6(35.65,32.74) U4#2.43
  In3.Cu w0.12: v6(30,31.16) 32.24,31.16 32.95,31.86 33.27,31.86 33.85,32.44 35.35,32.44 v6(35.65,32.74)
  Bottom w0.12: v6(30,31.16) R13#4.1 R14#4.2
Board_2-/AUX1 (VDC): length 3.9
  In1.Cu w0.15: v3(29.78,27.65) 29.78,27.6 29.43,27.24 28.08,27.24 v3(28.04,27.29)
  Bottom w0.15: 27.7,27.98 27.91,27.98 28.09,27.8 28.09,27.33 v3(28.04,27.29) ; v3(29.78,27.65) 29.97,27.47 29.97,27.05 30.06,26.95 Q3#2.6
Board_2-/AUX2 (VDC): length 4.6
  In1.Cu w0.15: v3(30.68,25.91) 30.13,26.46 28.24,26.46 27.61,27.09 27.61,27.51 v3(27.7,27.6)
  Bottom w0.15: v3(27.7,27.6) J1#3.12 ; v3(30.68,25.91) 30.68,25.91 Q3#2.3
Board_2-/AUX3: length 19.5
  Top w0.12: v3(41.49,27.74) 41.09,27.74 U4#2.18
  In4.Cu w0.12: 38.87,28.95 38.46,29.36 34.75,29.36 34.51,29.6 34.51,30.19 33.44,31.26 30.9,31.26 30.03,30.39 29.04,30.39 28.84,30.19 27.14,30.19 26.56,30.77 25.82,30.77 v3(25.48,30.43) ; 38.87,28.95 39.49,28.33 39.88,28.33 40.23,28.33 40.83,27.74 v3(41.49,27.74) ; 38.87,28.95 38.94,28.88
  Bottom w0.12: J1#3.21 v3(25.48,30.43)
Board_2-/AUX4: length 16.6
  Top w0.12: v3(40.53,27.37) 40.55,27.35 U4#2.17
  In4.Cu w0.12: v3(40.53,27.37) 40.25,27.64 39.85,27.64 38.37,29.13 34.62,29.13 34.21,29.54 33.25,29.54 33.25,29.54 33.03,29.77 31.75,29.77 31.39,30.13 29.1,30.13 28.94,29.96 26.23,29.96 v3(26.12,30.08)
  Bottom w0.12: v3(26.12,30.08) 25.8,30.08
Board_2-/AUX5 (VDC): length 10
  In4.Cu w0.15: v3(33.41,27.61) 33.18,27.38 31.83,27.38 31.25,27.96 30.93,27.96 30.08,28.81 29.73,28.81 29.22,29.32 27.43,29.32 27.06,28.95 25.76,28.95 v3(25.48,28.68)
  Bottom w0.15: Q6#2.6 32.8,27 v3(33.41,27.61)
Board_2-/AUX6 (VDC): length 6.9
  In4.Cu w0.15: v3(30.84,27.59) 29.94,28.49 29.25,28.49 29.05,28.29 26.59,28.29 v3(26.29,28.59)
  Bottom w0.15: v3(26.29,28.59) 26.02,28.33 J1#3.15 ; v3(30.84,27.59) 30.98,27.59 30.99,27.6 31.29,27.6 31.5,27.39 Q5#2.6
Board_2-/AUX7 (VDC): length 9.5
  In4.Cu w0.15: v3(33.12,25.92) 32.64,26.4 28.31,26.4 27.15,27.55 26.36,27.55 25.91,28 v3(25.44,28)
  Bottom w0.15: Q6#2.3 33.28,26.13 33.12,25.96 v3(33.12,25.92) ; 25.8,27.98 25.46,27.98 v3(25.44,28)
Board_2-/AUX8 (VDC): length 8.3
  Top w0.15: v6(25.58,27.59) 25.61,27.55 27.2,27.55 29.21,25.55 30.53,25.55 30.53,25.55 31.6,25.55 v3(31.95,25.9)
  In1.Cu w0.15: 25.8,27.59 25.8,27.59 v6(25.58,27.59)
  Bottom w0.15: Q5#2.3 31.98,25.93 v3(31.95,25.9) ; J1#3.13 25.76,27.59 v6(25.58,27.59)
Board_2-/AUX10: length 17.6
  Top w0.12: U4#2.14 40.04,26.62 40.17,26.75 40.17,26.95 v3(40.23,27.01)
  In4.Cu w0.12: v3(40.23,27.01) 40.23,27.1 39.92,27.41 39.76,27.41 38.27,28.9 34.52,28.9 34.11,29.31 33.32,29.31 33,28.99 32.73,28.99 32.61,28.88 32.31,28.88 32.09,29.09 32.09,29.1 31.29,29.9 29.2,29.9 29.03,29.73 25.45,29.73 v3(25.44,29.74)
  Bottom w0.12: J1#3.19 25.46,29.73 v3(25.44,29.74)
Board_2-/AUX11: length 16
  In4.Cu w0.12: v3(35.33,30.13) 35.3,30.13 34.25,31.18 34.25,31.82 33.95,32.12 33.53,32.12 32.92,31.51 29.67,31.51 29.31,31.15 28.94,31.15 28.81,31.28 28.12,31.28 27.97,31.12 v3(25.48,31.12)
  Bottom w0.12: v3(25.48,31.12) J1#3.23 ; v3(35.24,26.31) 35.23,26.32 35.23,28.08 34.91,28.4 34.91,28.64 35.33,29.06 v3(35.33,30.13)
Board_2-/AUX12: length 17.2
  Top w0.12: v3(35.33,30.59) 35.36,30.59 35.68,30.27 35.68,29.98 35.3,29.6 v3(35.3,28.54)
  In1.Cu w0.12: v3(35.64,26.54) 35.64,26.59
  In4.Cu w0.12: v3(35.33,30.59) 35.61,30.87 35.61,31.69 35.09,32.21 34.79,32.21 34.6,32.4 33.57,32.4 33.32,32.65 32.92,32.65 32.01,31.74 30.59,31.74 30.47,31.87 28.57,31.87 28.31,32.12 28.01,32.12 27.36,31.47 25.58,31.47 v3(25.47,31.58)
  Bottom w0.12: v3(35.3,28.54) 35.46,28.38 35.46,26.72 v3(35.64,26.54)
Board_2-/CAP_ENABLE: length 16.6
  Top w0.12: U4#2.32 40.05,32.88 v6(40.01,32.84)
  In1.Cu w0.12: v6(33.26,28.76) 33.26,28.89 33.12,29.03 32.76,29.03 32.51,28.77 30.93,28.77 30.72,28.57 28.78,28.57 28.48,28.87 v6(28.48,28.97)
  In3.Cu w0.12: v6(40.01,32.84) 40.01,31 39.55,30.54 39.55,30.54 38.38,29.37 33.87,29.37 v6(33.26,28.76) 33.26,28.75 ; v6(28.48,28.97) 28.48,28.96 28.48,28.96
  Bottom w0.12: v6(28.48,28.97) 28.55,28.9 28.55,28.63 28.73,28.45 Q2#4.5 29.1,28.45 29.2,28.55 Q2#4.2
Board_2-/CAP_VDC: length 11.8
  Top w0.35: C21#4.1 32.33,26.78 31.96,26.78 ; C21#4.1 32.34,26.69 ; C21#4.1 32.35,26.77 32.55,26.56 ; C21#4.1 32.34,26.75 ; v5(31.1,28.37) 31.1,28.37 31.56,28.37 v5(31.56,28.38) ; v1(34.27,26.47) 33.99,26.2 v1(33.99,26.16) ; v1(34.27,26.47) 34.18,26.56 32.55,26.56 ; v1(34.27,26.47) 34.27,25.84 v1(34.27,25.84) 34.27,25.89 v1(33.99,26.16) ; 32.55,26.56 33.59,26.56 v1(33.99,26.16) ; 31.65,26.43 31.65,26.43
  In3.Cu w0.4: 29.54,28.34 29.41,28.21 v1(29.41,28.11) ; 29.54,28.34 29.58,28.38 31.56,28.38 v5(31.56,28.38) ; 29.54,28.34 29.53,28.34 v1(28.94,28.94)
  Bottom w0.12: v1(28.94,28.94) 28.91,28.91 28.91,28.87
  Bottom w0.2: U6.1 32.59,30.03 32.05,29.49 32.05,28.88 31.91,28.74 31.91,28.74 31.53,28.35 D5#3.1
  vias: v5(43.65,25.78) v5(43.96,26.2) v5(44.28,25.78)
